# Altium PCB PCB2.PcbDoc
Units mil, origin at the board's own origin, x right, y up, seen from the top; angles counter-clockwise.
Board outline 1910 x 1500 mil, 2 copper layers (Top Layer, Bottom Layer); 37 components, 36 nets, 170 pads, 361 vias.
Unrouted connection lines stored in the file: 49.
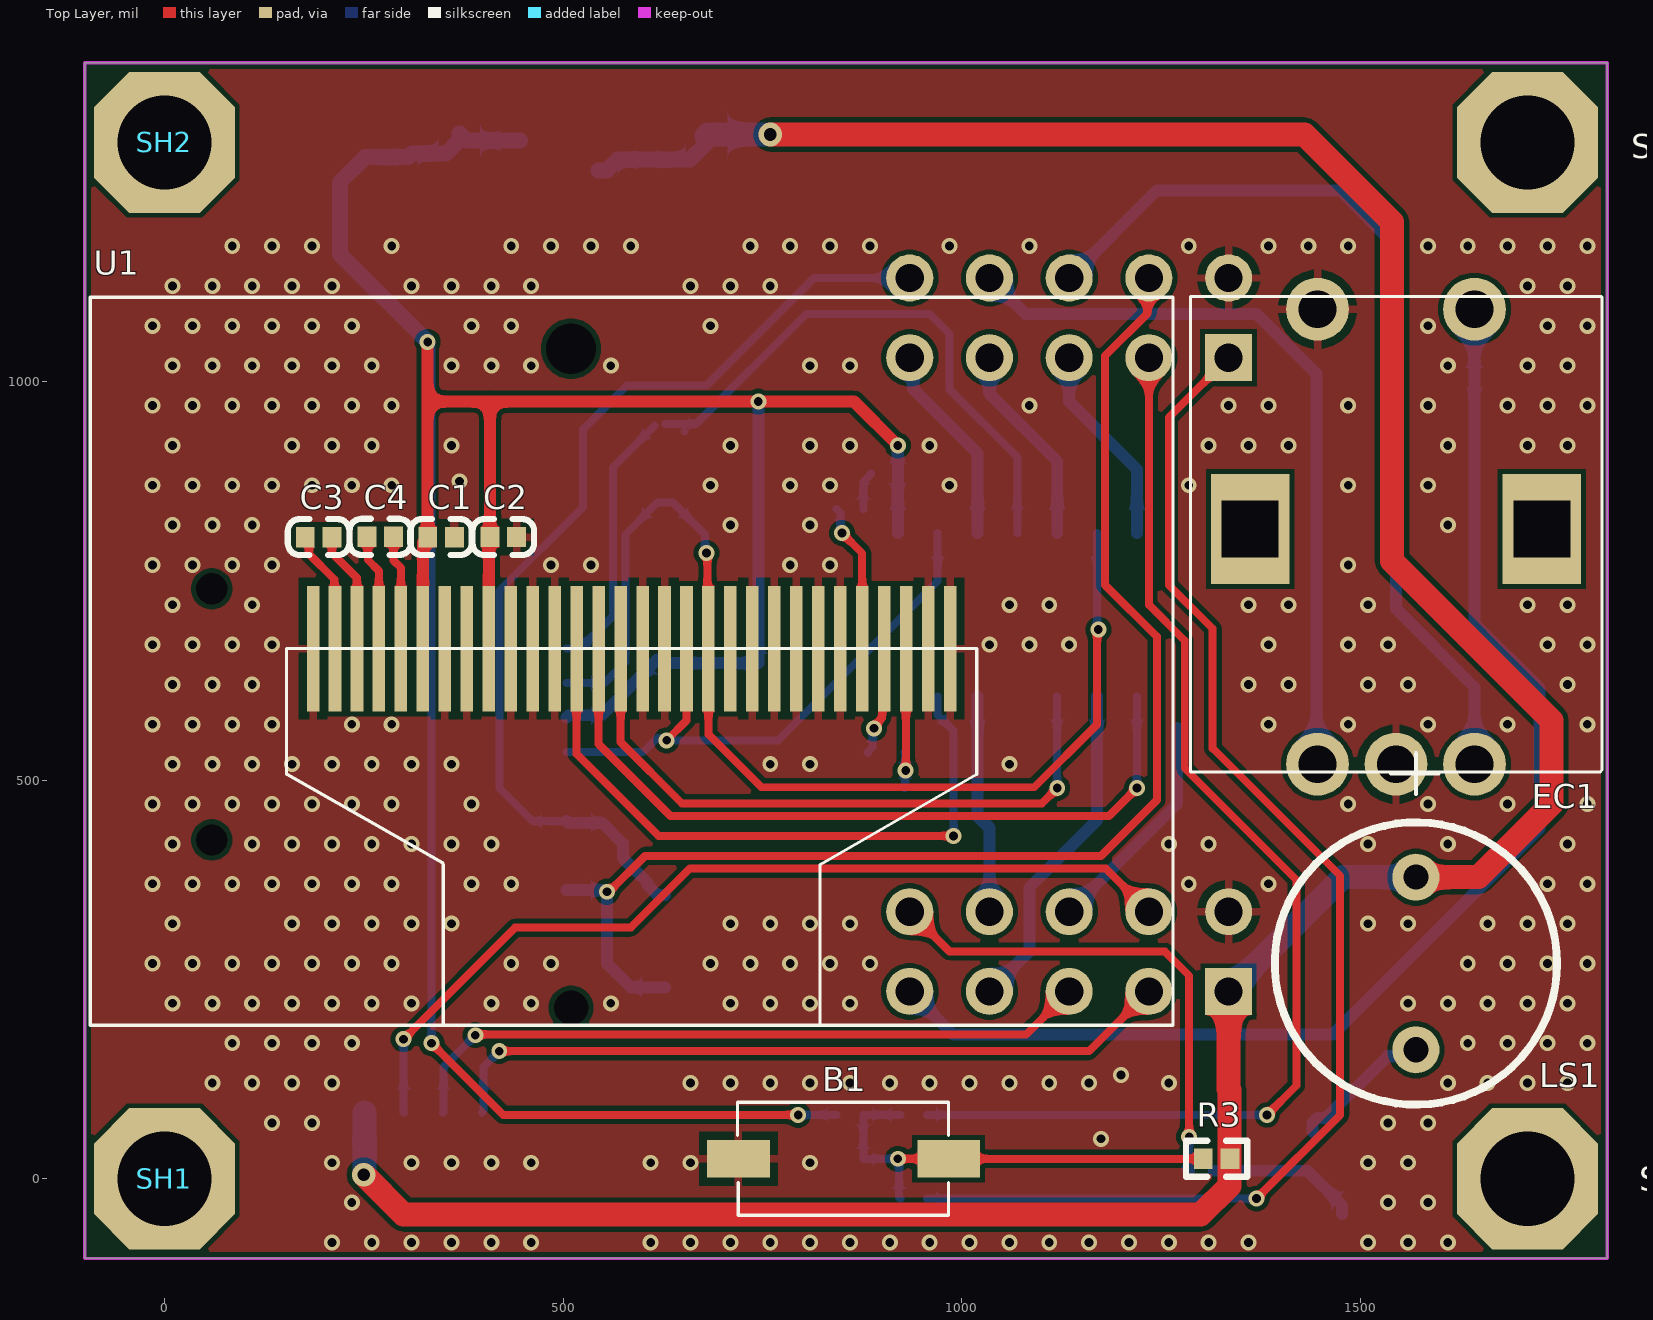
[diagram p0: Top Layer view]
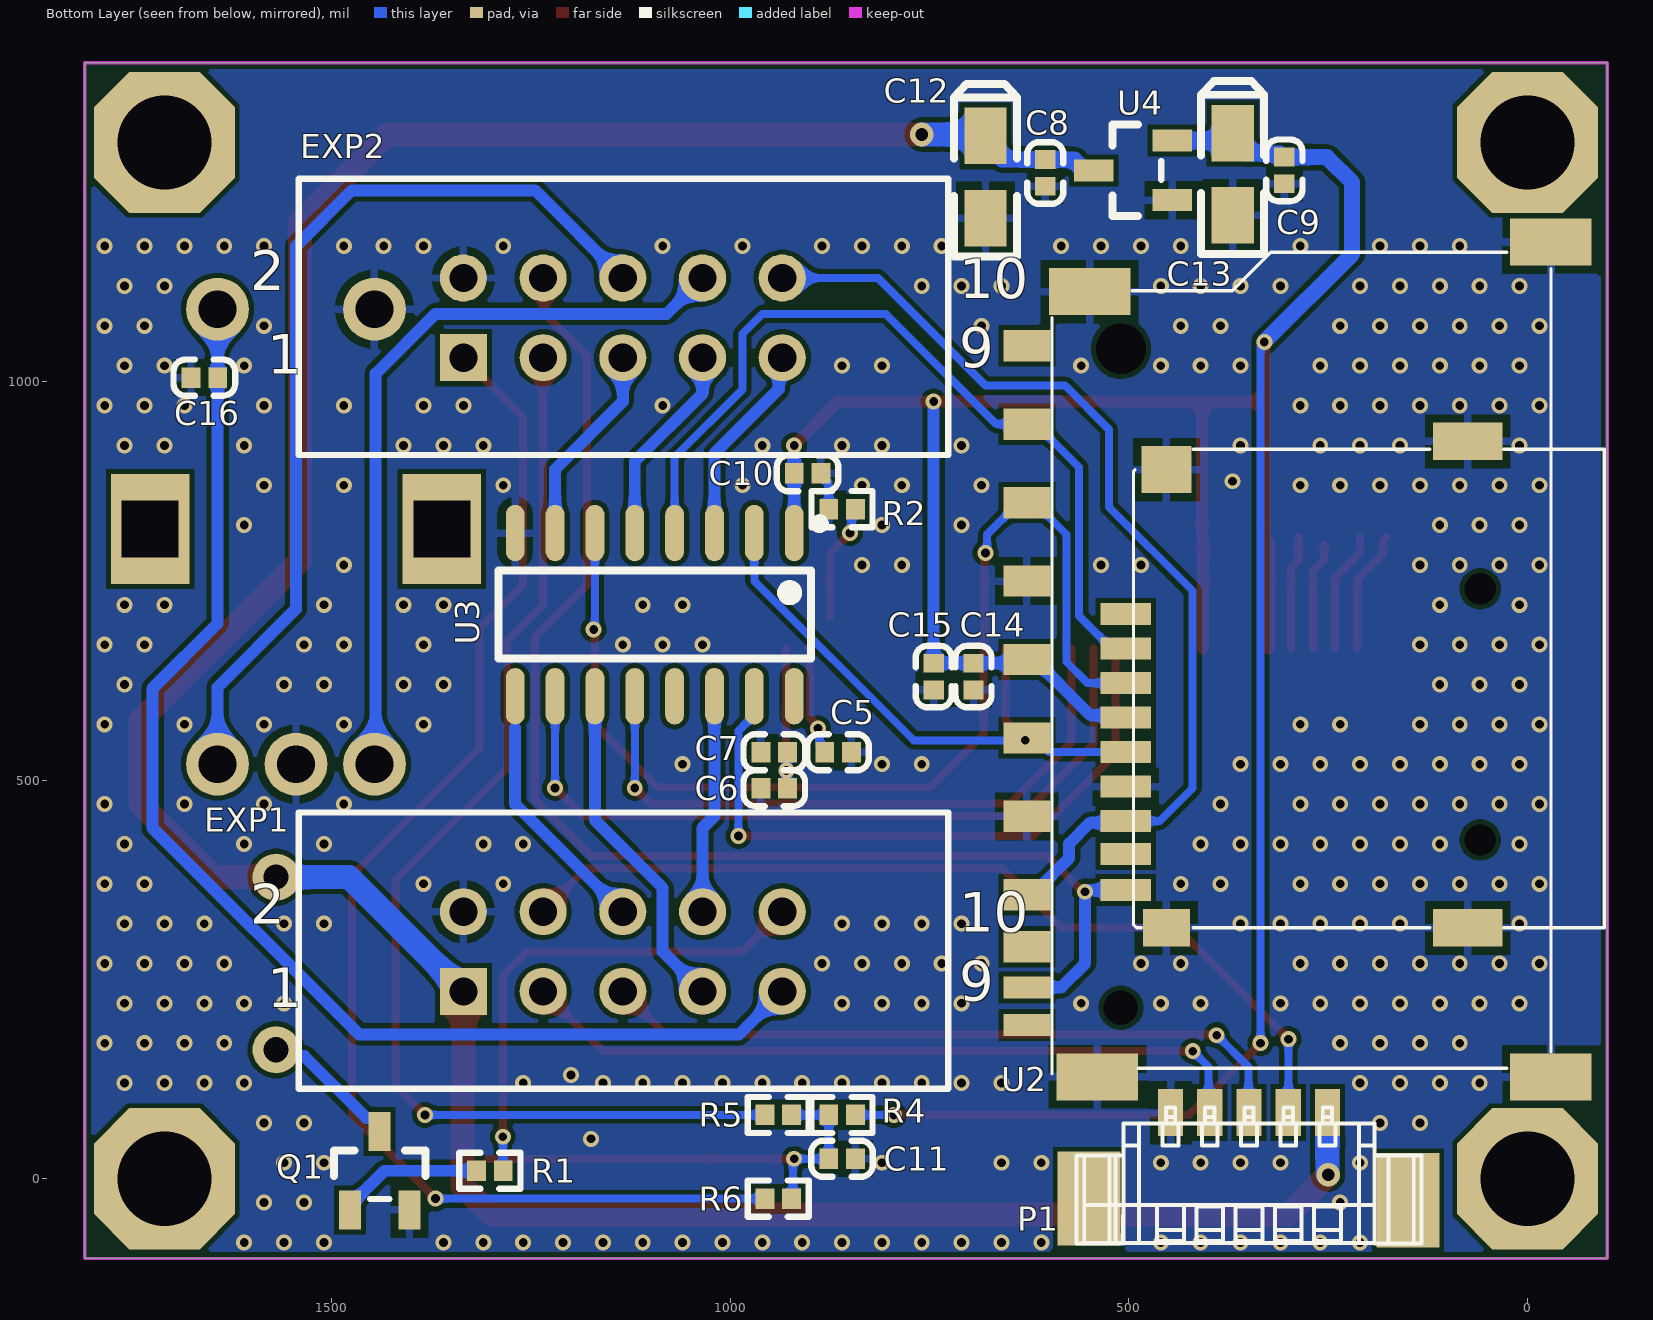
[diagram p1: Bottom Layer view, seen from below]
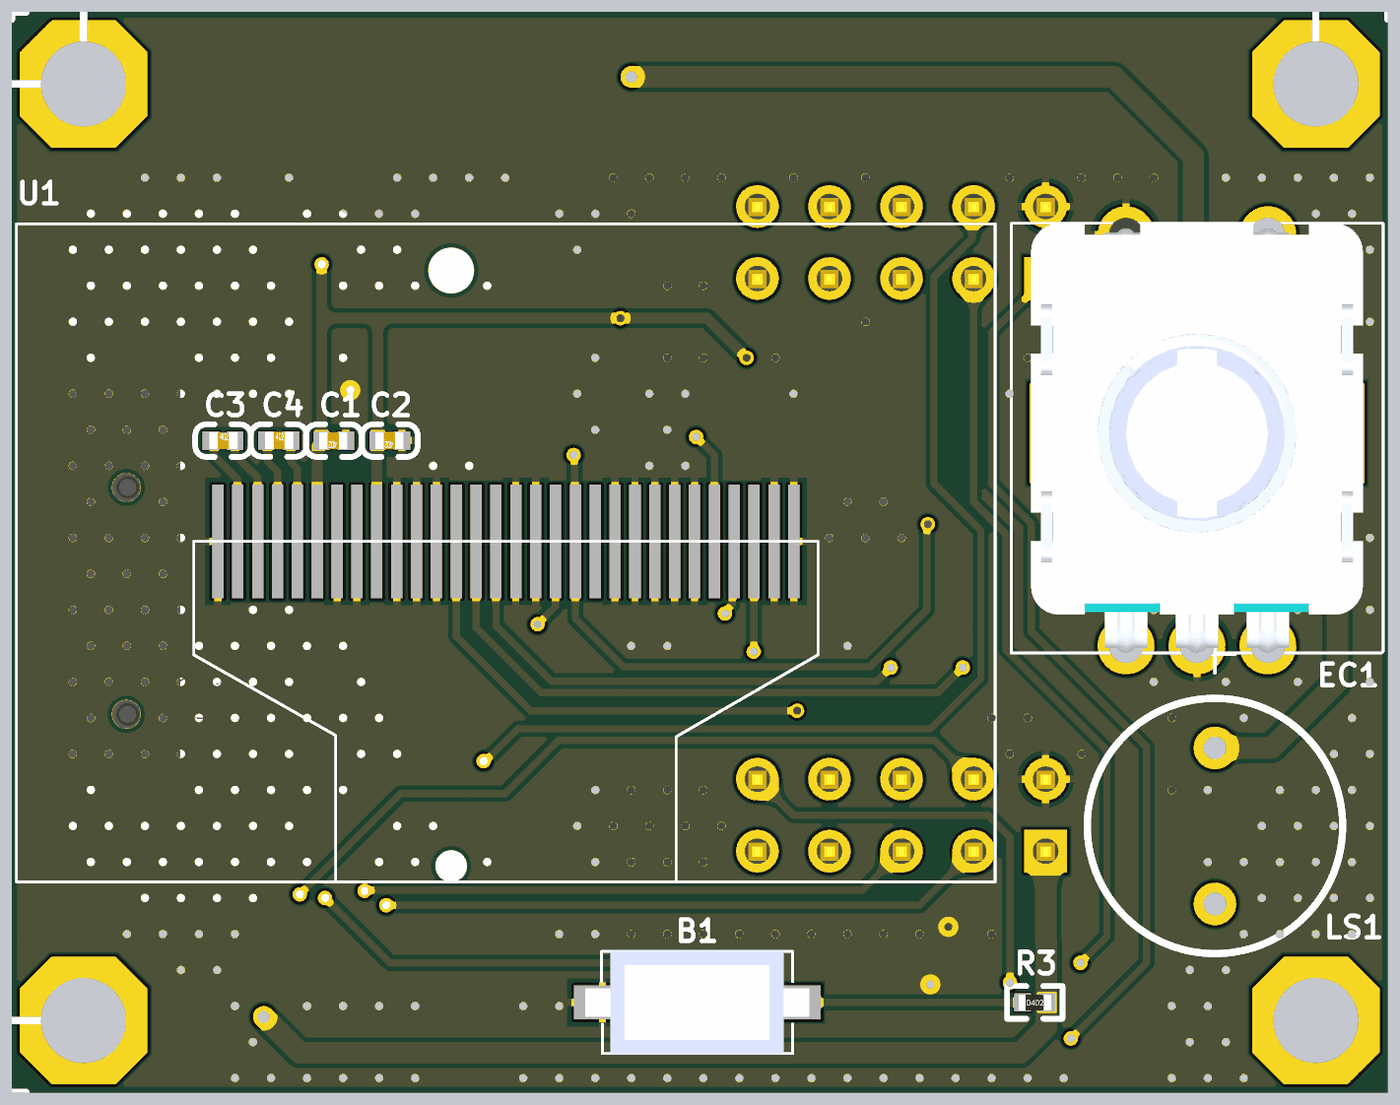
[diagram p2: 3D render of the assembled board from above, using the file's embedded part models]
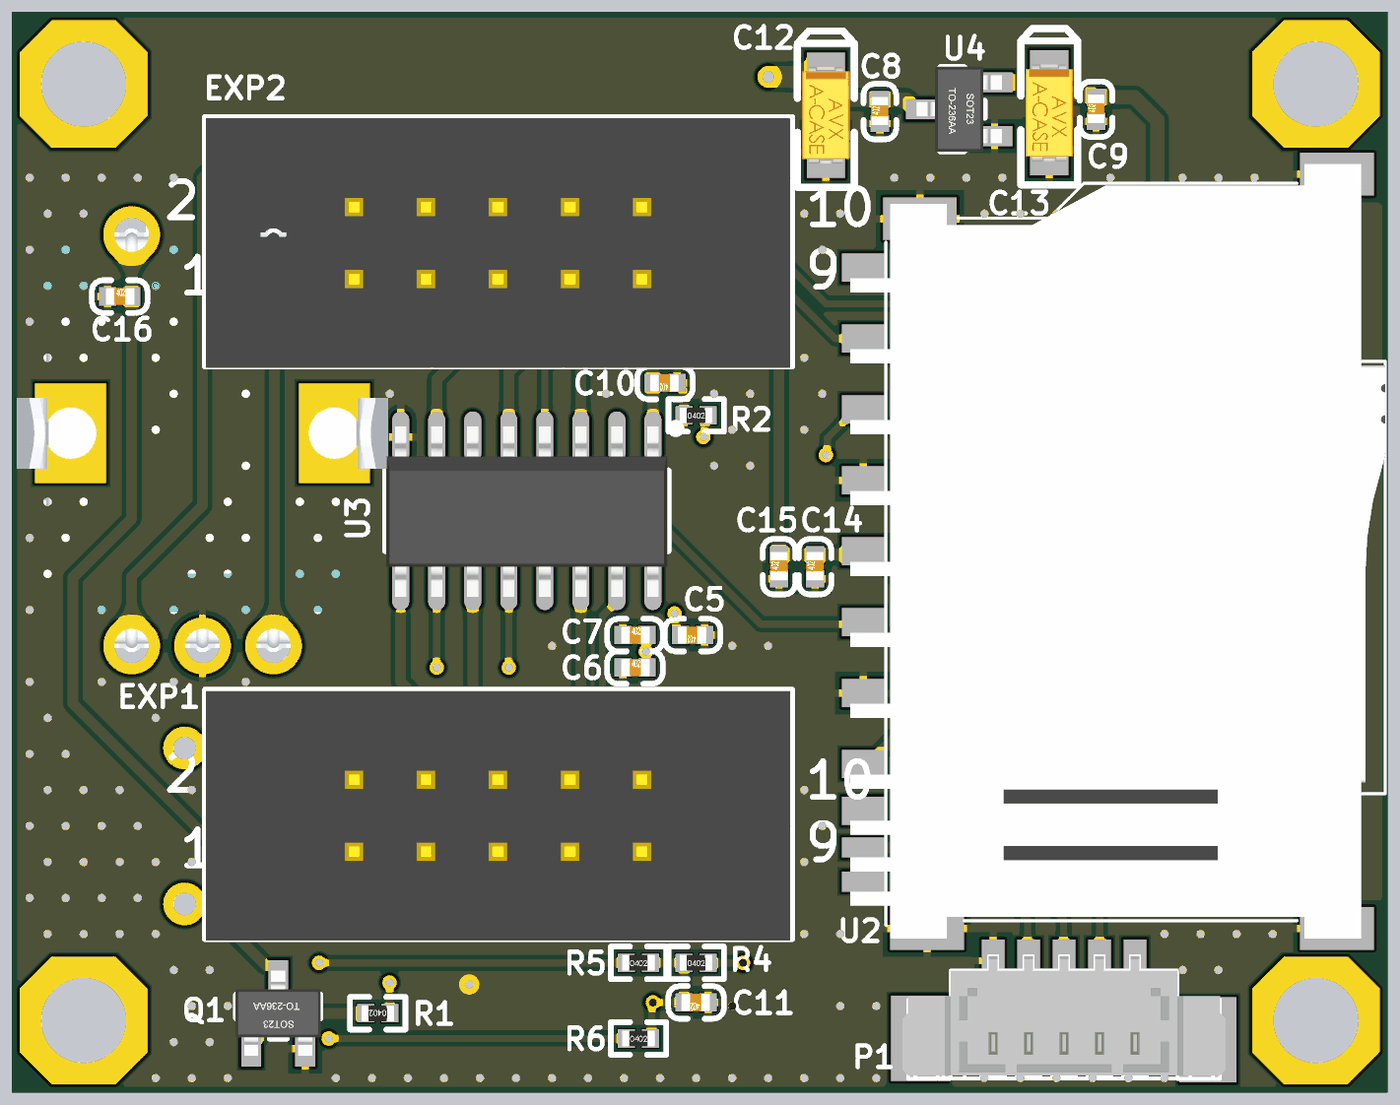
[diagram p3: 3D render of the assembled board from below, using the file's embedded part models]

## Layer stack, top to bottom
Top Solder: solder mask 0.4, Solder Resist, Dk 3.5
Top Layer: signal copper 1.4
Dielectric 1: dielectric 12.6, FR-4, Dk 4.8
Bottom Layer: signal copper 1.4
Bottom Solder: solder mask 0.4, Solder Resist, Dk 3.5

## Board outline
-100,-100 -100,1400 1810,1400 1810,-100

## Design rules (kind name [scope] priority, off if disabled: settings)
Clearance [All] p1: gap=6 ignorepadtopadclearanceinfootprint=FALSE except(0: Arc-Hole Track-Hole SMDPad-Hole THPad-Hole Via-Hole Fill-Hole Poly-Hole Region-Hole Text-Hole)
ComponentClearance [All] p1: gap=0 collisioncheckmode=3 verticalgap=0 showdistances=FALSE
Height [All] p1: minheight=0 maxheight=99999 prefheight=500
HoleSize [All] p1: absolutevalues=TRUE maxlimit=10000 minlimit=1 maxpercent=80.000 minpercent=20.000
HoleToHoleClearance [All] p1: gap=0 allowstackedmicrovias=TRUE
MinimumSolderMaskSliver [All] p1: minsoldermaskwidth=0
PolygonConnect via [isvia] p1: connectstyle=Direct reliefconductorwidth=10 reliefentries=4 polygonreliefangle="90 Angle" airgapwidth=10
PolygonConnect [All] p2: connectstyle=Relief reliefconductorwidth=10 reliefentries=4 polygonreliefangle="90 Angle" airgapwidth=10
RoutingVias [All] p1: holewidth=11 width=20 viastyle="Through Hole" minholewidth=11 minwidth=20 maxholewidth=28 maxwidth=50
SilkToSilkClearance [All] p1: silktosilkclearance=0
SilkToSolderMaskClearance [IsPad] p1: minsilkscreentomaskgap=0 clearancetoexposedcopper=TRUE
SolderMaskExpansion [All] p1: expansion=4 istentingtop=FALSE
Width [All] p1: maxlimit=1000 minlimit=10 preferedwidth=10
23 further rules are at their usual default settings.

## Components (designator, comment, footprint, x,y, rotation, side; value= is the part's Value field where it differs from the comment)
B1 "SW-PB" SMD_BOTTON 983.78,25 r180 top
C1 "1uF (105) 10% 50V" 0402_C 346.97,804.98 r180 top
C2 "2.2uF (225) 10% 16V" 0402_C 425,805 r180 top
C3 "1uF (105) 10% 50V" 0402_C 193.42,804.98 r0 top
C4 "1uF (105) 10% 50V" 0402_C 270.75,805.25 r0 top
C5 "2.2uF (225) 10% 16V" 0402_C 865,535 r0 bottom
C6 "2.2uF (225) 10% 16V" 0402_C 945,490 r180 bottom
C7 "1uF (105) 10% 50V" 0402_C 945,535 r180 bottom
C8 "100nF (104) 10% 16V" 0402_C 605,1261.73 r90 bottom
C9 "100nF (104) 10% 16V" 0402_C 305,1265 r90 bottom
C10 "100nF (104) 10% 16V" 0402_C 903.27,885 r0 bottom
C11 "100nF (104) 10% 16V" 0402_C 860,25 r0 bottom
C12 "10uF (106) ±10% 16V" CASE-A_3216 680,1256.57 r90 bottom
C13 "10uF (106) ±10% 16V" CASE-A_3216 370,1260 r90 bottom
C14 "10uF (106) 10% 10V" 0402_C 695,630 r90 bottom
C15 "100nF (104) 10% 16V" 0402_C 745,630 r90 bottom
C16 "100nF (104) 10% 16V" 0402_C 1660,1005 r180 bottom
EC1 "Header 5" EC11 1545,520 r0 top locked
EXP1 "Header 5X2" 简牛_10PIN 1335,235 r180 bottom locked
EXP2 "Header 5X2" 简牛_10PIN 1335,1030 r180 bottom locked
LS1 "Buzzer" BEEP 1570,270 r90 top locked
P1 "Header 5" 1.25_5P 375,20 r270 bottom
Q1 "SS8050 Y1" SOT-23(SOT-23-3) 1440,10 r270 bottom
R1 "330Ω (3300) ±1%" 0402_R 1301.84,10 r0 bottom
R2 "560KΩ (5603) ±1%" 0402_R 860,840 r180 bottom
R3 "10KΩ (1002) ±1%" 0402_R 1320,25 r0 top
R4 "10KΩ (1002) ±1%" 0402_R 860,80 r180 bottom
R5 "0Ω (0R0) ±1%" 0402_R 940,80 r180 bottom
R6 "0Ω (0R0) ±1%" 0402_R 940,-25 r180 bottom
SH1 "SH" SH-M3 0,0 r0 top
SH2 "SH" SH-M3 0,1300 r0 top
SH3 "SH" SH-M3 1710,1300 r0 top
SH4 "SH" SH-M3 1710,0 r0 top
U1 "1.3“OLED" "1.3\"OLED_R" 152.91,-279.88 r0 top locked
U2 "SD" SD_TF 510.04,1041.14 r90 bottom locked
U3 "74HC4050D" SOIC-16_150MIL 1095,707.64 r0 bottom locked
U4 "MCP1702T-3302E/CB" SOT-23(SOT-23-3) 495,1265 r180 bottom

## Footprints (in the part's own frame and the unit in brackets; to place one, negate y for a bottom-side part, rotate by r counter-clockwise, add the part's x,y. Pads: shape width x height; smd on the part's side, far side on the other; paste and mask are expansions set on the pad)
"1.3\"OLED_R" [mm] "128*64"
  rect 0.4x4 smd: 1(0.85,24) 2(1.55,24) 3(2.25,24) 4(2.95,24) 5(3.65,24) 6(4.35,24) 7(5.05,24) 8(5.75,24) 9(6.45,24) 10(7.15,24) 11(7.85,24) 12(8.55,24) 13(9.25,24) 14(9.95,24) 15(10.65,24) 16(11.35,24) 17(12.05,24) 18(12.75,24) 19(13.45,24) 20(14.15,24) 21(14.85,24) 22(15.55,24) 23(16.25,24) 24(16.95,24) 25(17.65,24) 26(18.35,24) 27(19.05,24) 28(19.75,24) 29(20.45,24) 30(21.15,24)
  silkscreen extent -6.25,12 28.25,35.2
1.25_5P [mm]
  rect 3x2 smd: 0(1.139,-4.447) 0(1.194,5.718)
  rect 1.5x0.8 smd: 1(-1.6,3.15) 2(-1.6,1.9) 3(-1.6,0.65) 4(-1.6,-0.6) 5(-1.6,-1.85)
  silkscreen extent -1.76,-4.85 2.57,6.15, body extent -1.75,-5.05 2.45,6.35, height 4.77
0402_C [mm]
  rect 0.6x0.65 smd mask+0.051: 1(-0.425,0) 2(0.425,0)
  silkscreen extent -0.98,-0.58 0.98,0.58, body extent -0.48,-0.3 0.52,0.3, height 0.2
0402_R [mm]
  rect 0.6x0.65 smd mask+0.051: 1(-0.425,0) 2(0.425,0)
  silkscreen extent -0.97,-0.58 0.97,0.58, body extent -0.57,-0.27 0.58,0.28, height 0.41
BEEP [mm] "9*5.5"
  round 1.5 hole 0.8: 1(-2.75,0) 2(2.75,0)
  silkscreen extent -4.5,-4.5 6.7,4.5
CASE-A_3216 [mm]
  rect 1.8x1.35 smd: 1(1.31,0) 2(-1.31,0)
  silkscreen extent -2.54,-1 2.97,1, body extent -1.7,-0.84 1.7,0.84, height 1.71
EC11 [mm]
  rect 2.5x3.5 hole 1.8 square: 0(-4.65,7.5) 0(4.65,7.5)
  round 2 hole 1.2: 1(-2.5,0) 2(0,0) 3(2.5,0) 4(2.5,14.5) 5(-2.5,14.5)
  silkscreen extent -6.55,-0.25 6.56,14.9, body extent -6.55,-0.23 6.55,14.9, height 31.6
SD_TF [mm]
  rect 0.7x1.6 smd: 1(-9.55,-0.15) 2(-10.65,-0.15) 4(-11.75,-0.15) 5(-12.85,-0.15) 6(-13.95,-0.15) 7(-15.05,-0.15) 8(-16.1,-0.15) 9(-8.45,-0.15) 10(-17.25,-0.15)
  rect 1x1.5 smd: 1(-2.4,3) 2(-4.9,3) 3(-7.4,3) 4(-9.9,3) 5(-12.4,3) 6(-14.9,3) 7(-17.4,3) 8(-19.05,3) 9(0.1,3)
  rect 0.7x1.5 smd: 10(-20.345,3) 12(-21.55,3)
  rect 1.5x2.6 smd: 11(-23.2,-13.7) 11(-23.2,0.75) 11(1.825,1) 11(3.4,-13.7)
  rect 1.2x2.2 smd: 11(-18.45,-11.05) 11(-2.95,-11.05)
  rect 1.2x1.5 smd: 11(-18.45,-1.45)
  rect 1.5x1.6 smd: 11(-3.85,-1.45)
  rect 0x0 hole 1: 22(-15.65,-11.45) 23(-7.65,-11.45)
  rect 0x0 hole 1.1: ""(-21,0)
  rect 0x0 hole 1.6: ""(0,0)
  silkscreen extent -23.1,-15.4 3.08,2.2, body extent -23.55,-15.4 3.75,3.45, height 3
SH-M3 [mm] "螺丝孔规格"
  oct 4.5x4.5 hole 3: 0(0,0)
SMD_BOTTON [mm]
  rect 2x1.2 smd: 1(0,0) 2(6.7,0)
  silkscreen extent 0,-1.8 6.73,1.8, body extent -0.58,-1.82 7.32,1.83, height 2.5
SOIC-16_150MIL [mm]
  oval 0.6x1.8 smd: 1(-4.445,-2.6) 2(-3.175,-2.6) 3(-1.905,-2.6) 4(-0.635,-2.6) 5(0.635,-2.6) 6(1.905,-2.6) 7(3.175,-2.6) 8(4.445,-2.6) 9(4.445,2.6) 10(3.175,2.6) 11(1.905,2.6) 12(0.635,2.6) 13(-0.635,2.6) 14(-1.905,2.6) 15(-3.175,2.6) 16(-4.445,2.6)
  silkscreen extent -5.4,-3.05 4.97,1.4, body extent -4.95,-2.97 4.95,3.03, height 1.75
SOT-23(SOT-23-3) [mm]
  rect 1.25x0.7 smd: 1(1.25,-0.95) 2(1.25,0.95) 3(-1.25,0)
  silkscreen extent -0.65,-1.46 0.9,1.46, body extent -1.5,-1.5 1.5,1.5, height 1.3
简牛_10PIN [mm] "简易牛角座10PIN"
  rect 1.5x1.5 hole 0.9: 1(0,0)
  round 1.5 hole 0.9: 2(0,2.54) 3(2.54,0) 4(2.54,2.54) 5(5.08,0) 6(5.08,2.54) 7(7.62,0) 8(7.62,2.54) 9(10.16,0) 10(10.16,2.54)
  silkscreen extent -5.25,-3.1 15.45,5.7, body extent -5.22,-3.15 15.38,5.65, height 9.1

## Part data
B1: "Switch", LatestRevisionDate=17-Jul-2002, LatestRevisionNote="Re-released for DXP Platform.", PackageDescription="Switch; 2 Leads", PackageReference=SPST-2, Published=24-Mar-1999, Publisher="Altium Limited"
C1 C3 C4 C7: library part "0603 1uF (105) 10% 50V", "贴片电容", Package=0603, SuppliersPartNumber=C15849, ComponentLink1Description=供应商链接, ComponentLink1URL=http://www.szlcsc.com/product/details_16531.html, Supplier=LC
C2 C5 C6: library part "0603 2.2uF (225) 10% 16V", "贴片电容", Package=0603, SuppliersPartNumber=C23630, ComponentLink1Description=供应商链接, ComponentLink1URL=http://www.szlcsc.com/product/details_24366.html, Supplier=LC
C8 C9 C10 C11 C15 C16: library part "0402 100nF (104) 10% 16V", "贴片电容", Package=0402, SuppliersPartNumber=C1525, ComponentLink1Description=供应商链接, ComponentLink1URL=http://www.szlcsc.com/product/details_1877.html, Supplier=LC
C12 C13: library part "3216 10uF (106) 10% 16V", "钽电容", Package=3216, SuppliersPartNumber=C7171, ComponentLink1Description=供应商链接, ComponentLink1URL=http://www.szlcsc.com/product/details_7643.html, Supplier=LC
C14: library part "0603 10uF (106) 10% 10V", "贴片电容", Package=0603, SuppliersPartNumber=C19702, ComponentLink1Description=供应商链接, ComponentLink1URL=http://www.szlcsc.com/product/details_20411.html, Supplier=LC
EC1 P1: "Header, 5-Pin", LatestRevisionDate=17-Jul-2002, LatestRevisionNote="Re-released for DXP Platform.", Publisher="Altium Limited"
EXP1 EXP2: "Header, 5-Pin, Dual row", LatestRevisionDate=17-Jul-2002, LatestRevisionNote="Re-released for DXP Platform.", Publisher="Altium Limited"
LS1: "Magnetic Transducer Buzzer", ComponentLink1Description="Manufacturer Link", ComponentLink1URL=http://www.megastar.com/linecard/buzzmode/index.php, DatasheetVersion=17-Dec-2003, LatestRevisionDate=17-Dec-2003, LatestRevisionNote="Schematic revised, PCB Footprint replaced.", PackageDescription="Magnetic Transducer Buzzer", PackageReference=ABSM-1574, Published=24-Mar-1999, Publisher="Altium Limited"
Q1: library part "SOT-23 SS8050 Y1", "三极管", Package=SOT-23, SuppliersPartNumber=C2150, ComponentLink1Description=供应商链接, ComponentLink1URL=http://www.szlcsc.com/product/details_2507.html, Supplier=LC
R1: library part "0402 330Ω (3300) 1%", "贴片电阻", Package=0402, SuppliersPartNumber=C25104, ComponentLink1Description=供应商链接, ComponentLink1URL=http://www.szlcsc.com/product/details_25847.html, Supplier=LC
R2: library part "0603 560KΩ (5603) 1%", "贴片电阻", Package=0603, SuppliersPartNumber=C23203, ComponentLink1Description=供应商链接, ComponentLink1URL=http://www.szlcsc.com/product/details_23930.html, Supplier=LC
R3 R4: library part "0402 10KΩ (1002) 1%", "贴片电阻", Package=0402, SuppliersPartNumber=C25744, ComponentLink1Description=供应商链接, ComponentLink1URL=http://www.szlcsc.com/product/details_26487.html, Supplier=LC
R5 R6: library part "0402 0Ω (0R0) 1%", "贴片电阻", Package=0402, SuppliersPartNumber=C17168, ComponentLink1Description=供应商链接, ComponentLink1URL=http://www.szlcsc.com/product/details_17853.html, Supplier=LC
SH1 SH2 SH3 SH4: library part ScrewHole
U3: "74系列逻辑芯片"
U4: library part MCP1702T-XX02E/CB, "MCP1702T-XX02E/CB / XX:12,18,25,30,33,40,50"

## Via types
v1: diameter 20, hole 11, Top Layer to Bottom Layer, tented both sides, 334 vias
v2: diameter 20, hole 11, Top Layer to Bottom Layer, 25 vias
v3: diameter 30, hole 16, Top Layer to Bottom Layer, 2 vias

## Nets (pads, with @x,y where several pads share a name; then routed paths per layer and width w, separated by ;. In a path a pad name is that pad's centre, name@x,y a point inside that pad or via, vN(x,y) a via of type N, cw(c..) or ccw(c..) an arc to the next point about the centre after c; other vN are vias at no path point)
3.3V: C1.2 C2.2 C9.2 C10.2 C13.1 C14.2 C15.2 R4.2 U1.6 U1.9 U2.4 U3.1 U4.2 | length 3934.5
  Top Layer w10: v2(335,170) 425,80 v2(795,80)
  Top Layer w15: U1.6 C1.2@324.17,797.92 ; C1.2 330.24,975 ; v2(330.24,1049.76) 330.24,975 ; U1.9 406.85,803.58 C2.2 408.27,975 ; v2(920,920) 865,975 v2(745,975) 408.27,975 ; 330.24,975 408.27,975
  Bottom Layer w10: v2(330.24,1049.76) 330.24,1047.05 335,1042.29 v2(335,170) ; v2(795,80) R4.2
  Bottom Layer w15: U2.4@504.13,578.54 507.01,581.42 548.35,581.42 618.31,651.38 U2.4@628.15,651.38 ; U2.4@637.28,646.73 C14.2 C15.2 v2(745,975) ; U3.1 C10.2 v2(920,920)
  Bottom Layer w20: v2(330.24,1049.76) 220,1160 220,1250 251.73,1281.73 C9.2 305.98,1281.73 310.39,1286.14 353.43,1286.14 370,1302.72 C13.1 379.17,1302.4 U4.2
5V: C8.2 C12.1 EXP1.1 LS1.2 P1.1 R3.2 U4.3 | length 3824.9
  Top Layer w30: v3(250,5) 300,-45 1300,-45 1336.08,-8.92 1336.08,111.45 1335,112.53 EXP1.1 ; v3(760,1310) 1430,1310 1540,1200 1540,775 1740,575 1740,470 1648.27,378.27 LS1.2
  Bottom Layer w20: U4.3 555.04,1265 568.5,1278.46 C8.2 659.17,1278.46 680,1299.29 C12.1
  Bottom Layer w30: v3(250,5) 250.98,5.98 P1.1 ; C12.1 681.85,1310 v3(760,1310) ; EXP1.1 1478.27,378.27 LS1.2
APP_MOSI: U1.19 U2.2 U3.6 | length 1419.4
  Top Layer w10: v2(680,785) 681.22,783.78 681.22,666.22 U1.19 682.44,557.56 748.9,491.1 1091.1,491.1 1170,570 1170,687.3 v2(1171.56,688.86)
  Bottom Layer w10: U2.2@504.13,621.85 551.85,621.85 578.56,648.56 578.56,808.48 618.31,848.23 637.99,848.23 678.09,808.13 678.09,786.91 v2(680,785) ; U3.6 1170,690.42 v2(1171.56,688.86)
APP_SCK: U1.18 U2.5 U3.2 | length 739.5
  Top Layer w10: v2(630,550) 654.88,574.88 U1.18
  Bottom Layer w10: U2.5@504.13,535.24 600.59,535.24 618.31,552.95 U2.5@628.15,552.95 ; v2(630,550) 770,550 970,750 U3.2
APP_SS: U2.1 U3.4 | length 1045.9
  Bottom Layer w10: U2.1@504.13,665.16 521.85,665.16 562.56,705.87 562.56,892.56 U2.1@615,945 ; U2.1@628.15,946.65 628.32,946.82 666.82,946.82 805,1085 960,1085 985,1060 985,990 1070,905 U3.4
BEEP: EXP1.10 R1.1 | length 630
  Top Layer w10: EXP1.10 985,285 1255,285 1285.5,254.5 v2(1285.5,52.64)
  Bottom Layer w10: R1.1@1283.3,12.8 1285.3,14.8 1285.3,52.45 v2(1285.5,52.64)
  Bottom Layer w15: R1.1@1283.3,12.8 1285.11,10.98 R1.1
BLUE: EXP1.3 P1.4 | length 931.9
  Top Layer w10: v2(420,160) 1160,160 EXP1.3
  Bottom Layer w10: P1.4 400,84.37 400,140 v2(420,160)
BTN_EN1: EC1.1 EXP2.8 | length 950.4
  Bottom Layer w15: EXP2.8 1080,1085 1370,1085 1445,1010 1445,521.57 EC1.1
BTN_EN2: EC1.3 EXP2.6 | length 1175.3
  Bottom Layer w15: EXP2.6 1245,1240 1475,1240 1545,1170 1545,715 1643.43,616.57 EC1.3
BTN_ENC: C16.2 EC1.4 EXP1.9 | length 1604.4
  Bottom Layer w15: EXP1.9 989,181 1466,181 1725,440 1725,615 1643.27,696.73 C16.2 ; C16.2@1643.43,1005 EC1.4
CD: EXP2.4 U2.10 | length 1669.2
  Top Layer w10: v2(555,360) 557.71,360 602.71,405 1175,405 1245,475 1245,680 1180,745 1180,1032.31 1233.16,1085.47 1233.16,1128.16 EXP2.4
  Bottom Layer w15: U2.10@504.13,362.01 551.64,362.01 553.65,360 v2(555,360) ; v2@553.65,359.04 555,357.69 555,270 584.84,240.16 U2.10@628.15,240.16
GND: B1.2 C1.1 C2.1 C5.1 C6.1 C7.1 C8.1 C9.1 C10.1 C11.1 C12.2 C13.2 C14.1 C15.1 C16.1 EC1.2 EC1.5 EXP1.2 EXP2.2 P1.5 Q1.2 R2.1 U1.1 U1.7 U1.8 U1.10 U1.11 U1.12 U1.16 U1.17 U1.21 U1.22 U1.23 U1.24 U1.25 U1.29 U1.30 U2.3 U2.6 U2.11 U3.8 U4.1 | length 49.1
  Bottom Layer w10: R2.1 876.73,874.21 886.54,884.02 C10.1
  other v1: 210,-80 260,-80 310,-80 360,-80 410,-80 460,-80 610,-80 660,-80 710,-80 760,-80 810,-80 860,-80 910,-80 960,-80 1010,-80 1060,-80 1110,-80 1160,-80 1210,-80 1260,-80 1310,-80 1360,-80 1510,-80 1560,-80 1610,-80 235,-30 1535,-30 1585,-30 210,20 310,20 360,20 410,20 460,20 610,20 660,20 810,20 1510,20 1560,20 135,70 185,70 1535,70 1585,70 60,120 110,120 160,120 210,120 660,120 710,120 760,120 810,120 860,120 910,120 960,120 1010,120 1060,120 1110,120 1160,120 1260,120 1610,120 1660,120 1710,120 1760,120 85,170 135,170 185,170 235,170 1635,170 1685,170 1735,170 1785,170 10,220 60,220 110,220 160,220 210,220 260,220 310,220 410,220 460,220 560,220 710,220 760,220 810,220 860,220 1560,220 1610,220 1660,220 1710,220 1760,220 -15,270 35,270 85,270 135,270 185,270 235,270 285,270 435,270 485,270 685,270 735,270 785,270 835,270 885,270 1635,270 1685,270 1735,270 1785,270 10,320 160,320 210,320 260,320 310,320 360,320 710,320 760,320 810,320 860,320 1510,320 1560,320 1660,320 1710,320 1760,320 -15,370 35,370 85,370 135,370 185,370 235,370 285,370 385,370 435,370 1285,370 1385,370 1735,370 1785,370 10,420 110,420 160,420 210,420 260,420 310,420 360,420 410,420 1260,420 1310,420 1510,420 1610,420 1760,420 -15,470 35,470 85,470 135,470 185,470 235,470 285,470 385,470 1485,470 1585,470 1685,470 1785,470 10,520 60,520 110,520 160,520 210,520 260,520 310,520 360,520 760,520 810,520 1060,520 -15,570 35,570 85,570 135,570 235,570 285,570 1385,570 1485,570 1585,570 1685,570 1785,570 10,620 60,620 110,620 1360,620 1410,620 1510,620 1560,620 1760,620 -15,670 35,670 85,670 135,670 1035,670 1085,670 1135,670 1385,670 1485,670 1535,670 1735,670 1785,670 10,720 110,720 1060,720 1110,720 1360,720 1410,720 1510,720 1710,720 1760,720 -15,770 35,770 85,770 135,770 485,770 535,770 785,770 835,770 1485,770 10,820 60,820 110,820 710,820 810,820 1610,820 -15,870 35,870 85,870 135,870 185,870 235,870 285,870 685,870 785,870 835,870 985,870 1285,870 1485,870 1585,870 10,920 160,920 210,920 260,920 360,920 710,920 810,920 860,920 960,920 1310,920 1360,920 1410,920 1610,920 1710,920 1760,920 -15,970 35,970 85,970 135,970 185,970 235,970 285,970 1085,970 1335,970 1385,970 1485,970 1585,970 1685,970 1735,970 1785,970 10,1020 60,1020 110,1020 160,1020 210,1020 260,1020 360,1020 410,1020 460,1020 560,1020 810,1020 860,1020 1610,1020 1710,1020 1760,1020 -15,1070 35,1070 85,1070 135,1070 185,1070 235,1070 385,1070 435,1070 685,1070 1585,1070 1735,1070 1785,1070 10,1120 60,1120 110,1120 160,1120 210,1120 310,1120 360,1120 410,1120 460,1120 660,1120 710,1120 760,1120 1710,1120 1760,1120 85,1170 135,1170 185,1170 285,1170 435,1170 485,1170 535,1170 585,1170 735,1170 785,1170 835,1170 885,1170 985,1170 1085,1170 1285,1170 1385,1170 1435,1170 1485,1170 1585,1170 1635,1170 1685,1170 1735,1170 1785,1170
  other v2: 1175,50 1200,130 370,875
GREEN: EXP1.4 P1.2 | length 1138.1
  Top Layer w10: v2(300,175) 440,315 585,315 659,389 1181,389 EXP1.4
  Bottom Layer w10: v2(300,175) 300,83.19 P1.2
KILL: EXP2.1 R6.1 | length 1631.9
  Top Layer w10: EXP2.1 1260,955 1260,745 1315,690 1315,540 1475,380 1475,80 v2(1370,-25)
  Bottom Layer w10: R6.1 v2(1370,-25)
LCD_A0: EXP1.7 U3.11 | length 426.2
  Bottom Layer w15: EXP1.7 1085,285 1085,365 1170,450 U3.11
LCD_CS: EXP1.8 U3.14 | length 276.5
  Bottom Layer w15: U3.14 1020,455 1035,440 EXP1.8
LCD_RST: EXP1.6 U3.9 | length 286.2
  Bottom Layer w15: EXP1.6 1270,470 1270,565.28
MISO: EXP2.10 U2.7 | length 1258.1
  Bottom Layer w10: U2.7@504.13,448.62 461.38,448.62 420,490 420,737.51 525,842.51 525,940 580,995 680,995 815,1130 EXP2.10
  Bottom Layer w15: U2.7@504.13,448.62 506.39,446.36 548.97,446.36 575,420.33 575,402.34 597.34,380 606.12,371.21 606.12,368.29 618.31,356.1 U2.7@628.15,356.1
MOSI: EXP2.5 U3.7 | length 255.2
  Bottom Layer w15: EXP2.5 1135,975 1220,890 U3.7
NetB1_1: B1.1 C11.2 R3.1 R4.1 R5.2 R6.2 | length 579.4
  Top Layer w10: v2(920,25) B1.1 R3.1
  Bottom Layer w10: R6.2 921.63,-23.37 921.63,23.37 v2(920,25) C11.2 R4.1 R5.2
NetC3_1: C3.1 U1.2 | length 155.4
  Top Layer w10: C3.1 181.27,800.4 181.27,783.73 213.05,751.95 213.05,665.88 U1.2
NetC3_2: C3.2 U1.3 | length 153.1
  Top Layer w10: C3.2 210,804.82 210,785 241.5,753.5 U1.3
NetC4_1: C4.1 U1.4 | length 135.8
  Top Layer w10: C4.1@255,795 255,776.56 269.06,762.5 U1.4
NetC4_2: C4.2 U1.5 | length 144
  Top Layer w10: C4.2 287.48,775.58 296.61,766.44 U1.5
NetC5_2: C5.2 U1.27 | length 139.9
  Top Layer w10: v2(890,565) 890,567.71 900.04,577.75 900.04,662.13 U1.27
  Bottom Layer w10: C5.2@882.5,534.23 C5.2 888.54,541.81 888.54,558.54 890,560 v2(890,565)
NetC6_2: C6.2 C7.2 U1.28 | length 200.9
  Top Layer w10: v2@930,512 v2(929.9,512.1) 930.19,512.38 930.19,664.71 U1.28
  Bottom Layer w10: C6.2 929.08,490.82 929.08,511.28 v2(929.9,512.1) ; C7.2 929.13,534.13 929.13,512.86 v2(929.9,512.1) ; v2@929.01,511.2 v2(929.9,512.1)
NetLS1_1: LS1.1 Q1.3 | length 178.8
  Bottom Layer w15: Q1.3 1440,70.04 1446.28,76.32 1457.11,76.32 1534.47,153.68 1561.95,153.68 LS1.1
NetQ1_1: Q1.1 R1.2 | length 189.5
  Bottom Layer w15: R1.2@1316.73,10 1434.02,10 1477.4,-33.39 Q1.1@1477.4,-44.21
NetR2_2: R2.2 U1.26 | length 148.3
  Top Layer w10: v2(850,810) 875.35,784.65 U1.26@875.35,705
  Bottom Layer w10: R2.2 848.09,835.18 848.09,811.91 v2(850,810)
OLED_A0: U1.15 U3.12 | length 820
  Top Layer w10: U1.15 572.2,547.8 649,471 1101,471 v2(1120,490)
  Bottom Layer w10: v2(1120,490) U3.12
OLED_CS: U1.13 U3.15 | length 831.2
  Top Layer w10: U1.13 517.09,532.91 620,430 v2(990,430)
  Bottom Layer w10: U3.15 970,581.65 990,561.65 v2(990,430)
OLED_RST: U1.14 U3.10 | length 962.2
  Top Layer w10: U1.14 544.65,545.35 635,455 1185,455 v2(1220,490)
  Bottom Layer w10: v2(1220,490) U3.10
RED: EXP1.5 P1.3 | length 881.6
  Top Layer w10: v2(390,180) 391,181 1081,181 EXP1.5
  Bottom Layer w10: P1.3 350.03,83.61 350.03,140.03 v2(390,180)
RST: EXP2.3 R5.1 | length 1468.4
  Top Layer w10: EXP2.3 1235,720 1280,675 1280,515 1420,375 1420,116.75 v2(1383.24,79.98)
  Bottom Layer w10: R5.1 v2(1383.24,79.98)
SCK: EXP2.9 U3.3 | length 255.2
  Bottom Layer w15: EXP2.9 939.29,1025.71 939.29,990.71 1020,910 U3.3
SS: EXP2.7 U3.5 | length 255.2
  Bottom Layer w15: EXP2.7 1035,985 1120,900 U3.5
pads on no net: EC1.0 P1.0 SH1.0 SH2.0 SH3.0 SH4.0 U1.20 U2. U2.8 U2.9 U2.12 U2.22 U2.23 U3.13 U3.16

## Polygon pours and split planes (outlines as drawn)
GND on Bottom Layer "GND_L02_P000" (solid, remove dead copper, pour order 0): -304.75,1550 1965,1550 1965,-260 1955,-250 -300,-250
GND on Top Layer "GND_L01_P002" (solid, remove dead copper, pour order 2): -345,1535 -340,1530 1960,1530 1960,-490 1905,-545 1895,-535 -245,-535

## Keep-outs
Keep-Out Layer:
  the board outline again, w4

## Dimensions
0,0 to 0,1300 on Top Overlay
0,1300 to 1710,1300 on Top Overlay
-80,1400 to -85,-100 on Top Overlay
-100,1390 to 1810,1335 on Top Overlay

## Text inside footprints (layer, text, board x,y; h text height)
EXP1: Bottom Overlay "10" at 712.95,309.8 h50; Bottom Overlay "9" at 712.95,223.19 h50; Bottom Overlay "1" at 1581.06,215 h50; Bottom Overlay "2" at 1602.72,319.65 h50
EXP2: Bottom Overlay "10" at 712.95,1104.8 h50; Bottom Overlay "9" at 712.95,1018.19 h50; Bottom Overlay "1" at 1581.06,1010 h50; Bottom Overlay "2" at 1602.72,1114.65 h50